# Altium PCB wikiduino-ap8248.PCBDOC (part 2 of 3)
Units mm, origin at the board's own origin, x right, y up, seen from the top; angles counter-clockwise.
Board outline 221.69 x 138.99 mm, 2 copper layers (Top Layer, Bottom Layer); 241 components, 174 nets, 760 pads, 816 vias.
Unrouted connection lines stored in the file: 487.
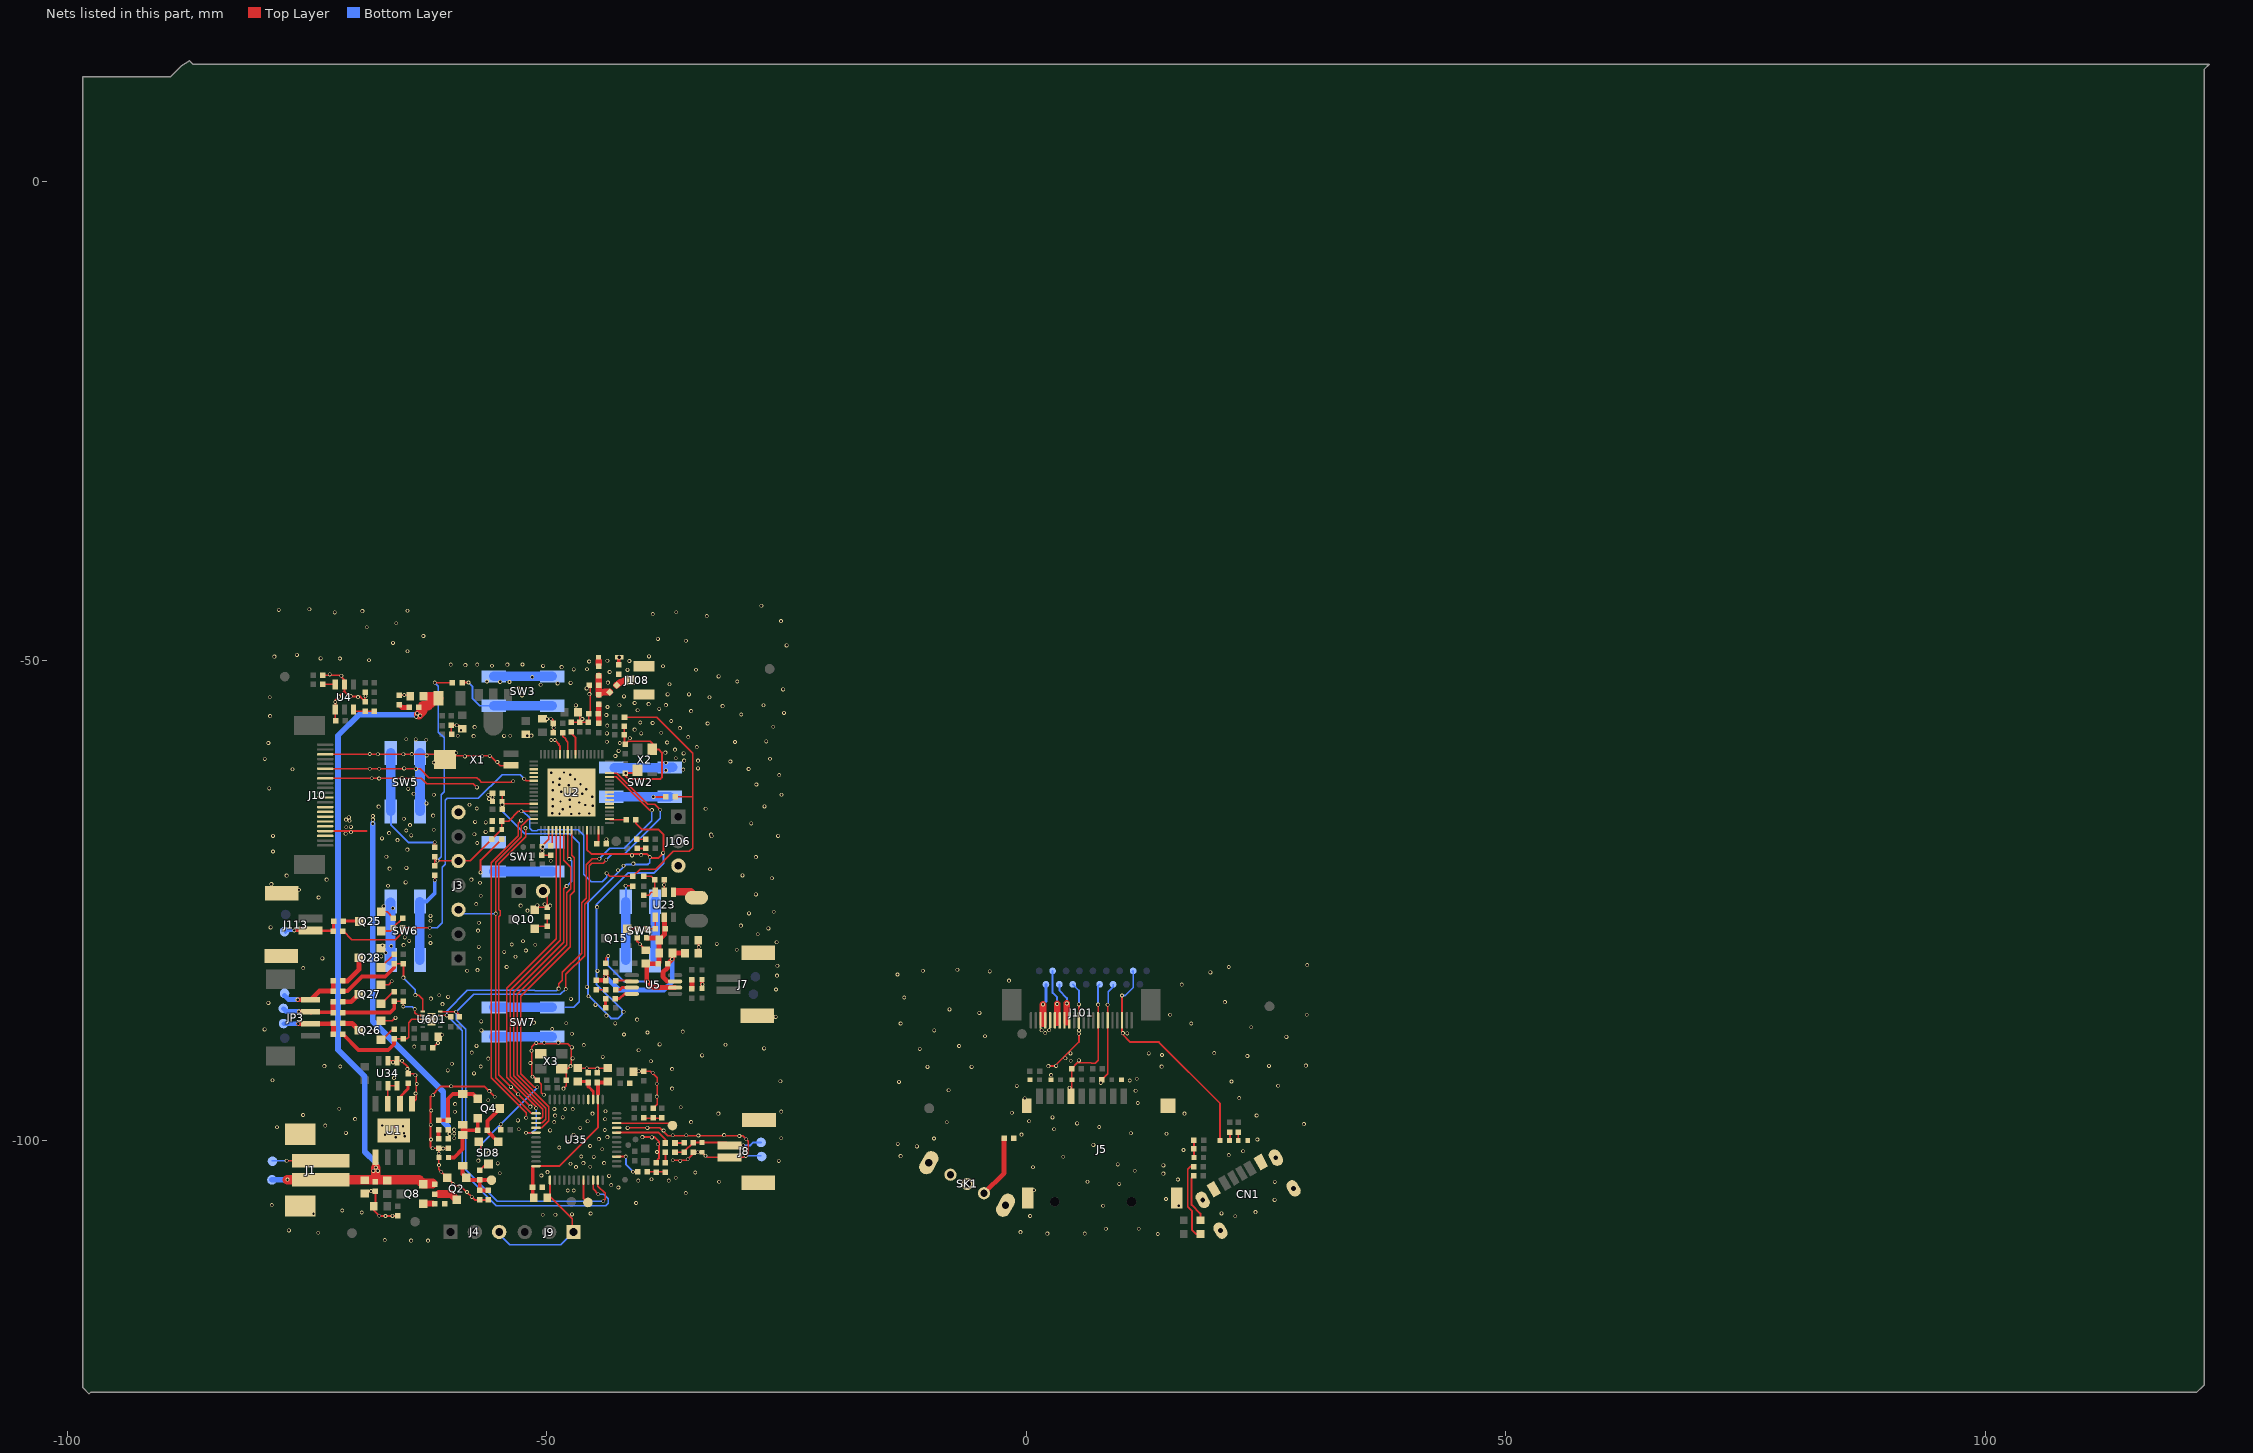
[diagram p2: the nets of this part, all layers, seen from the top]

## Via types
v1: diameter 0.4, hole 0.25, Top Layer to Bottom Layer, 816 vias

## Nets (pads, with @x,y where several pads share a name; then routed paths per layer and width w, separated by ;. In a path a pad name is that pad's centre, name@x,y a point inside that pad or via, vN(x,y) a via of type N, cw(c..) or ccw(c..) an arc to the next point about the centre after c; other vN are vias at no path point) (continued)
GND: C3.1 C4.2 C5.1 C6.1 C8.2 C12.1 C13.2 C14.2 C15.1 C16.2 C20.2 C21.2 C22.1 C26.2 C28.1 C29.1 C31.1 C32.2 C38.2 C39.1 C53.1 C107.1 C108.2 C109.2 C119.2 C120.2 C121.2 C132.1 C133.1 C139.2 C166.1 C167.1 C168.1 C175.1 C180.2 C181.2 C204.1 C206.1 C207.2 C215.2 C249.2 C253.2 C254.2 C256.2 C301.1 C302.2 C402.2 C403.2 D6.2 ESD5.2 FB3.2 FB4.1 J1.0 J1.2 J3.7 J4.3 J7.3 J7.4 J8.1 J8.3 J8.4 J9.1 J10.3 J10.4 J10.5 J10.11 J10.15 J10.17 J10.20 J18.2 J106.3 J108.2 J108.3 J113.3 J113.4 L6.1 pad.1 Q2.2 Q10.2 Q15.2 Q25.2 Q26.2 Q27.2 Q28.2 R8.1 R15.1 R29.2 R57.1 R200.1 R201.1 R202.2 R273.2 R274.1 R277.1 R337.2 SW1.1 SW1.2 SW2.1 SW2.2 SW3.1 SW3.2 SW4.1 SW4.2 SW5.1 SW5.2 SW6.1 SW6.2 SW7.1 SW7.2 TP3.1 U1.1 U1.3 U1.9 U2.37 U2.47 U2.69 U4.2 U4.4 U23.2 U34.1 U34.2 U34.5 U34.6 U35.16 U35.37 U601.11 V4.2 V5.2 V12.2 V13.2 V16.2 X1.1 X1.3 X2.2 X2.4 X3.2 X3.4 | length 395.1
  Top Layer w0.15: v1@-77.139,-102.125 J1.2@-73.54,-102.125 ; J10.15@-73.093,-62.27 v1(-68.242,-62.27) -63.094,-62.27 -62.512,-62.852 -57.652,-62.852 v1(-57.282,-63.222) ; J10.17@-73.093,-61.27 v1(-67.462,-61.27) -63.204,-61.27 -62.282,-62.192 -57.288,-62.192 -56.983,-62.497 -56.817,-62.662 -53.692,-62.662 v1@-53.522,-62.492 ; J10.20@-73.093,-59.77 v1(-67.602,-59.77) v1(-64.942,-59.77) -61.194,-59.77 X1.3@-60.622,-60.342 ; C32.2@-72.041,-56.224 U4.4@-72.041,-55.101 ; Q26.2@-67.278,-87.532 -66.092,-87.532 v1@-65.742,-87.182 ; Q27.2@-67.278,-83.775 -66.486,-83.775 v1@-66.132,-83.422 ; Q25.2@-67.258,-76.195 -66.642,-76.195 R273.2@-65.981,-76.856 ; U1.3@-66.576,-96.185 -66.576,-94.345 U34.5@-66.552,-94.322 U34.6@-65.602,-94.322 ; U34.2@-66.552,-91.722 U34.1@-65.602,-91.722 -65.142,-91.722 -64.452,-92.412 R8.1@-64.452,-93.061 -63.853,-93.061 -63.602,-93.312 -63.602,-95.751 U1.1@-64.036,-96.185 ; C254.2@-61.866,-90.338 -61.31,-89.783 C253.2@-61.31,-89.221 ; X1.3@-60.202,-59.922 -57.602,-59.922 -55.932,-59.922 -55.882,-59.922 -54.862,-60.942 X1.1@-53.722,-60.942 ; C249.2@-59.986,-56.744 C249.2@-59.946,-56.744 ; R29.2@-59.946,-57.667 C249.2@-59.946,-56.744 ; C29.1@-58.818,-57.1 -59.174,-56.744 C249.2@-59.946,-56.744 ; V13.2@-55.653,-64.682 v1(-55.653,-64.252) C175.1@-55.653,-63.832 ; v1@-52.692,-66.652 -52.992,-66.952 -52.992,-68.282 -54.979,-70.268 -54.981,-70.268 -55.772,-71.059 -55.772,-93.506 -52.152,-97.126 v1(-52.152,-97.652) ; v1@-52.212,-67.452 -52.212,-68.383 -54.992,-71.163 -54.992,-75.962 -54.852,-76.102 -54.852,-76.572 -54.992,-76.712 -54.992,-93.182 v1(-53.734,-94.44) -52.97,-95.204 v1@-51.702,-96.472 ; Q10.2@-50.98,-75.721 R337.2@-49.942,-75.721 -49.942,-74.472 J18.2@-50.392,-74.022 ; C53.1@-50.512,-70.272 C53.1@-50.452,-70.272 ; C121.2@-50.436,-56.055 v1(-49.572,-56.055) -49.489,-56.055 -49.311,-56.233 C207.2@-49.311,-56.552 C120.2@-49.311,-57.517 ; v1@-50.292,-95.292 -50.552,-95.032 -50.552,-94.172 C133.1@-50.987,-93.738 -51.572,-93.152 -51.572,-90.672 -51.572,-90.262 -51.262,-89.952 -50.252,-89.952 -47.822,-89.952 -47.442,-90.332 -47.442,-92.192 -47.782,-92.531 X3.4@-48.422,-92.531 -47.955,-92.998 C132.1@-47.955,-93.738 -47.955,-94.324 v1(-48.252,-94.622) ; U2.37@-49.809,-67.677 -49.809,-68.634 -50.452,-69.278 v1(-50.452,-69.832) C53.1@-50.452,-70.272 ; C22.1@-49.575,-70.272 C53.1@-50.452,-70.272 ; C109.2@-47.439,-56.407 C108.2@-46.545,-56.407 ; C402.2@-46.778,-92.479 C302.2@-43.629,-92.479 ; C26.2@-46.739,-55.384 -46.545,-55.578 C108.2@-46.545,-56.407 ; C108.2@-46.545,-56.42 C108.2@-46.545,-56.407 ; C16.2@-45.694,-56.407 C108.2@-46.545,-56.407 ; C16.2@-45.613,-56.351 C21.2@-45.613,-55.538 -45.457,-55.382 -45.457,-52.648 C20.2@-45.562,-52.544 ; -41.909,-58.022 C13.2@-41.909,-57.72 C14.2@-41.909,-56.857 ; v1(-41.562,-98.712) v1(-39.502,-98.712) -38.192,-98.712 -37.367,-99.537 -34.182,-99.537 -29.557,-99.537 v1(-29.192,-99.902) -29.002,-100.092 -29.002,-101.342 -29.456,-101.795 J8.1@-30.937,-101.795 -33.278,-101.795 ESD5.2@-33.824,-101.248 C256.2@-34.739,-101.248 -34.739,-101.408 -35.402,-102.072 v1@-36.872,-102.072 ; C180.2@-40.948,-92.874 -39.979,-92.874 FB4.1@-39.967,-92.886 ; FB4.1@-39.872,-92.791 -39.183,-92.791 -38.472,-93.502 -38.472,-96.23 R57.1@-38.904,-96.662
  Top Layer w0.2: C215.2@-73.355,-51.523 -71.561,-51.523 -71.091,-51.993 U4.2@-71.091,-52.501 -71.091,-53.18 ; J10.4@-73.093,-67.77 -68.784,-67.77 ; U4.4@-72.041,-55.101 -72.041,-54.13 v1(-71.662,-53.752) -71.091,-53.18 ; C119.2@-68.927,-53.29 R200.1@-68.927,-54.271 -69.436,-53.762 -69.672,-53.762 -70.51,-53.762 -71.091,-53.18 ; C6.1@-68.755,-105.34 C5.1@-67.86,-105.34 C3.1@-67.86,-106.719 ; C3.1@-68.032,-106.892 -68.032,-107.322 -67.462,-107.892 v1(-66.082,-107.892) C4.2@-65.552,-107.892 ; C8.2@-65.371,-53.613 C39.1@-64.336,-53.613 ; R15.1@-60.291,-100.842 R201.1@-61.256,-100.842 ; R202.2@-56.076,-106.227 C107.1@-56.989,-106.227 -57.507,-106.227 v1(-57.824,-105.91) -58.322,-105.412 -58.952,-104.782 -59.509,-104.782 Q2.2@-60.386,-103.905 v1(-60.997,-103.294) -61.256,-103.034 v1(-61.256,-101.382) R201.1@-61.256,-100.842 ; v1@-55.392,-95.502 -55.992,-94.902 -56.512,-94.382 -61.032,-94.382 -62.102,-95.452 -62.102,-100.692 -61.952,-100.842 v1(-61.892,-100.842) R201.1@-61.256,-100.842 ; U35.37@-49.668,-104.156 -49.668,-105.846 -47.337,-108.177 J9.1@-47.337,-109.282 ; U2.47@-45.809,-67.677 -45.809,-69.714 -45.361,-70.162 -40.142,-70.162 -39.592,-70.162 v1@-39.282,-70.472 ; C15.1@-43.792,-69.103 v1@-43.792,-68.702 ; C28.1@-41.909,-58.617 -41.909,-58.022 ; C28.1@-41.82,-58.706 -41.521,-58.406 -39.188,-58.406 -38.982,-58.612 X2.4@-38.982,-59.256 -38.328,-59.256 -37.992,-59.592 -37.992,-62.172 -38.182,-62.362 -41.462,-62.362 -41.82,-62.004 C31.1@-41.82,-61.738 X2.2@-40.814,-61.738 ; Q15.2@-41.546,-77.939 -40.573,-77.939 R274.1@-40.573,-77.979 C168.1@-40.573,-78.904 -40.573,-79.279 C167.1@-39.666,-80.185 ; C12.1@-40.711,-66.572 -40.711,-66.943 -40.032,-67.622 -38.332,-67.622 -37.832,-68.122 -37.832,-70.072 -38.322,-70.562 -39.152,-70.562 v1@-39.247,-70.467 ; v1(-40.032,-99.672) -38.762,-99.672 -38.312,-100.122 -38.312,-101.891 C204.1@-38.6,-102.178 ; U23.2@-37.744,-74.142 R277.1@-37.744,-72.859 ; FB3.2@-34.191,-80.479 C166.1@-34.191,-79.147 C166.1@-34.191,-79.107
  Top Layer w0.4: V5.2@-33.818,-84.184 V4.2@-33.818,-83.257
  Bottom Layer w0.15: pad.1@-78.672,-102.142 v1(-77.112,-102.142) ; J4.3@-54.957,-109.562 -54.957,-109.787 -53.862,-110.882 -48.516,-110.882 J9.1@-47.207,-109.572 ; v1(-29.252,-101.632) TP3.1@-27.642,-101.632
  Bottom Layer w0.2: v1(-39.262,-70.482) -39.262,-71.052 -39.452,-71.242 -41.712,-71.242 -45.682,-75.212 -45.682,-84.892 -44.797,-85.777 -43.282,-87.292 -42.562,-87.292 -42.142,-86.872 -42.142,-86.422 -44.832,-83.732 -44.832,-75.462 -41.502,-72.132 -38.812,-72.132 -37.812,-71.132 v1@-37.812,-70.062
  Bottom Layer w1: SW6.1@-66.286,-81.273 SW6.2@-66.286,-75.177 ; SW5.2@-63.208,-65.726 SW5.1@-63.208,-59.63 ; SW7.2@-55.53,-89.202 SW7.1@-49.434,-89.202 ; SW3.1@-55.524,-51.648 -51.502,-51.648 SW3.2@-49.428,-51.648 ; SW2.1@-42.962,-61.172 SW2.2@-37.192,-61.172 ; SW4.2@-38.696,-81.143 SW4.1@-38.696,-75.047 ; SW2.2@-37.184,-61.118 SW2.2@-36.858,-61.118
  other v1: -64.142,-110.462 -62.377,-110.462 -66.892,-110.416 -73.812,-109.652 -76.877,-109.402 -67.462,-107.882 -66.812,-107.902 -50.412,-107.772 -49.102,-107.772 -47.362,-107.732 -74.312,-107.662 -45.422,-107.642 -69.277,-107.542 -71.322,-107.332 -78.662,-106.772 -40.677,-106.552 -35.502,-105.516 -58.312,-105.402 -68.322,-105.312 -47.802,-105.242 -47.177,-105.242 -42.532,-104.932 -58.982,-104.852 -43.277,-104.682 -59.752,-104.572 -32.022,-104.332 -40.462,-104.216 -37.282,-104.216 -39.077,-104.072 -36.552,-103.916 -43.502,-103.716 -50.552,-103.682 -54.902,-103.452 -34.522,-103.372 -49.922,-103.332 -46.952,-102.802 -45.462,-102.762 -61.232,-102.602 -47.522,-102.452 -55.102,-102.422 -46.177,-102.392 -44.022,-102.392 -36.082,-102.152 -25.802,-102.152 -57.122,-102.132 -36.862,-102.082 -35.292,-101.992 -45.102,-101.742 -46.392,-101.702 -33.452,-101.622 -55.242,-101.416 -56.062,-101.342 -34.272,-101.262 -38.502,-101.232 -44.212,-100.942 -60.802,-100.862 -48.702,-100.762 -45.477,-100.602 -38.422,-100.422 -47.832,-100.182 -62.062,-99.922 -44.562,-99.892 -25.552,-99.792 -65.742,-99.702 -39.032,-99.712 -43.677,-99.672 -64.812,-99.592 -29.912,-99.562 -34.182,-99.512 -36.862,-99.492 -35.462,-99.492 -31.502,-99.472 -47.192,-99.452 -66.862,-99.432 -64.882,-99.262 -70.932,-99.232 -37.812,-98.992 -49.652,-98.982 -43.942,-98.932 -52.922,-98.862 -46.502,-98.716 -78.122,-98.652 -64.982,-98.532 -73.082,-98.482 -67.142,-98.462 -62.092,-98.402 -49.212,-98.116 -34.942,-98.116 -45.732,-98.016 -53.002,-97.932 -69.977,-97.802 -43.912,-97.816 -48.332,-97.616 -49.122,-97.442 -75.402,-97.372 -45.232,-97.232 -32.102,-97.232 -59.577,-97.042 -25.552,-97.016 -43.877,-96.982 -62.032,-96.902 -48.077,-96.752 -47.292,-96.762 -49.202,-96.742 -71.632,-96.722 -56.052,-96.702 -36.032,-96.562 -51.702,-96.492 -59.552,-96.242 -56.092,-95.832 -55.412,-95.472 -38.522,-95.452 -61.862,-95.322 -50.292,-95.262 -52.982,-95.216 -63.672,-95.132 -55.972,-94.882 -36.922,-94.616 -59.972,-94.372 -63.542,-94.142 -38.522,-94.122 -25.642,-93.852 -78.592,-93.742 -65.922,-93.532 -51.482,-93.382 -63.692,-93.222 -57.577,-93.032 -38.942,-92.972 -40.392,-92.812 -60.312,-92.716 -36.922,-92.592 -64.532,-92.572 -44.722,-92.532 -45.832,-92.502 -71.532,-92.316 -56.877,-92.312 -73.177,-92.272 -47.522,-92.272 -59.892,-92.032 -51.702,-91.952 -66.022,-91.882 -39.142,-91.762 -65.092,-91.712 -56.102,-91.492 -47.302,-91.472 -44.152,-91.316 -33.802,-91.152 -57.812,-90.862 -51.592,-90.672 -40.422,-90.616 -27.332,-90.432 -47.372,-90.322 -63.812,-90.242 -57.322,-90.162 -46.142,-90.082 -31.362,-90.052 -38.232,-90.016 -61.332,-89.862 -51.092,-89.862 -50.252,-89.832 -48.782,-89.822 -60.892,-89.002 -41.942,-88.982 -47.377,-88.902 -39.492,-88.772 -35.822,-88.682 -68.222,-88.632 -56.812,-88.552 -79.412,-88.452 -49.432,-88.402 -42.852,-87.816 -47.962,-87.802 -51.342,-87.742 -56.832,-87.616 -62.102,-87.592 -40.577,-87.432 -65.762,-87.252 -26.142,-87.142 -43.782,-87.012 -62.092,-86.992 -41.982,-86.602 -44.912,-85.892 -60.862,-85.816 -79.012,-85.682 -47.477,-85.272 -62.077,-85.242 -60.277,-85.062 -45.642,-84.992 -61.212,-84.882 -26.102,-84.292 -45.812,-84.022 -33.762,-83.752 -66.162,-83.422 -25.992,-82.842 -44.702,-82.352 -58.302,-82.342 -57.212,-82.272 -75.377,-82.062 -54.177,-81.942 -25.952,-81.816 -56.977,-81.072 -73.392,-81.042 -53.252,-80.882 -67.252,-80.832 -66.792,-80.452 -54.432,-80.372 -52.177,-80.222 -30.192,-80.152 -34.152,-79.872 -57.092,-79.842 -66.202,-79.762 -67.122,-79.702 -64.922,-79.662 -51.192,-79.616 -53.642,-79.602 -40.282,-79.572 -32.277,-79.532 -62.112,-79.442 -26.032,-79.362 -52.477,-79.252 -64.332,-79.216 -64.802,-78.852 -62.202,-78.742 -27.992,-78.532 -40.582,-78.432 -57.162,-78.152 -26.892,-77.916 -78.782,-77.816 -29.762,-77.632 -57.077,-77.322 -62.112,-77.116 -62.112,-76.616 -28.912,-76.352 -26.332,-76.182 -52.002,-76.062 -66.032,-75.816 -44.742,-75.702 -67.002,-75.616 -52.722,-75.542 -49.642,-75.542 -50.977,-75.502 -50.222,-75.402 -57.342,-75.382 -73.777,-74.702 -56.872,-74.516 -28.192,-74.372 -75.822,-73.892 -66.552,-73.472 -37.762,-73.372 -78.702,-73.302 -56.952,-73.162 -64.712,-73.116 -72.942,-72.832 -57.852,-72.832 -26.522,-72.692 -77.112,-72.416 -29.592,-72.392 -42.572,-71.852 -32.977,-71.752 -66.377,-71.682 -64.632,-71.616 -41.992,-71.382 -40.962,-71.162 -49.577,-70.872 -28.192,-70.492 -66.712,-70.442 -41.112,-70.312 -40.142,-70.272 -37.872,-70.042 -78.532,-69.902 -64.522,-69.702 -50.422,-69.392 -57.242,-69.016 -65.562,-68.716 -43.782,-68.642 -67.177,-68.532 -32.812,-68.292 -78.532,-68.272 -25.877,-68.272 -64.132,-68.216 -32.862,-68.142 -57.542,-68.102 -70.972,-68.052 -66.432,-67.982 -70.402,-67.892 -56.377,-67.852 -64.642,-67.716 -61.777,-67.642 -52.212,-67.461 -70.902,-67.372 -70.412,-67.342 -64.252,-67.152 -28.677,-66.972 -56.362,-66.872 -57.472,-66.816 -52.672,-66.662 -64.892,-66.482 -61.842,-66.162 -47.432,-65.992 -48.672,-65.952 -46.592,-65.942 -45.572,-65.942 -49.422,-65.932 -48.342,-65.482 -33.432,-65.452 -57.292,-65.416 -67.522,-65.216 -47.572,-65.222 -49.362,-65.182 -27.292,-65.202 -45.212,-65.122 -58.052,-65.032 -46.002,-65.052 -62.532,-64.892 -46.602,-64.792 -48.562,-64.692 -47.582,-64.502 -49.382,-64.442 -56.022,-64.416 -45.272,-64.192 -61.762,-63.992 -56.092,-64.002 -25.522,-63.982 -47.322,-63.902 -46.282,-63.892 -63.877,-63.882 -48.502,-63.672 -49.372,-63.512 -45.882,-63.422 -64.432,-63.372 -78.922,-63.316 -47.702,-62.992 -48.682,-62.962 -28.142,-62.916 -46.482,-62.892 -49.342,-62.672 -53.492,-62.571 -47.052,-62.352 -48.652,-62.332 -67.477,-62.292 -63.892,-62.292 -65.092,-62.232 -25.762,-61.942 -47.542,-61.892 -41.742,-61.762 -49.532,-61.702 -48.202,-61.662 -37.577,-61.442 -35.762,-61.362 -76.502,-61.332 -28.952,-61.302 -68.442,-61.282 -63.642,-61.292 -64.862,-61.242 -34.232,-61.242 -37.577,-60.642 -61.777,-60.622 -55.142,-60.572 -30.852,-60.516 -34.232,-60.432 -35.677,-60.422 -79.402,-60.252 -26.722,-60.232 -36.552,-60.172 -58.532,-59.992 -56.732,-59.972 -55.932,-59.932 -42.842,-59.942 -62.502,-59.892 -64.077,-59.752 -68.452,-59.732 -35.732,-59.672 -59.442,-59.602 -37.632,-59.592 -42.502,-59.416 -36.622,-59.282 -34.352,-59.016 -79.012,-58.592 -42.392,-58.592 -37.452,-58.542 -30.377,-58.482 -43.732,-58.452 -27.112,-58.416 -62.552,-58.252 -63.662,-58.216 -64.642,-58.192 -41.332,-58.092 -35.242,-57.972 -57.622,-57.872 -54.442,-57.852 -59.277,-57.832 -53.802,-57.832 -43.732,-57.592 -40.152,-57.592 -38.052,-57.516 -58.942,-57.252 -40.842,-57.192 -36.112,-57.032 -49.282,-56.982 -57.512,-56.932 -26.377,-56.902 -43.692,-56.772 -59.392,-56.732 -33.222,-56.552 -38.962,-56.502 -40.242,-56.452 -37.022,-56.292 -46.277,-56.092 -49.972,-56.082 -78.842,-55.782 -43.777,-55.672 -29.722,-55.616 -25.262,-55.452 -34.942,-55.262 -40.522,-55.172 -38.262,-55.032 -43.662,-54.832 -31.662,-54.742 -46.962,-54.672 -42.422,-54.652 -37.577,-54.642 -27.402,-54.662 -39.377,-54.532 -40.842,-54.416 -72.042,-54.312 -78.882,-53.816 -69.672,-53.802 -33.032,-53.816 -41.942,-53.732 -70.432,-53.702 -68.892,-53.722 -52.577,-53.632 -64.852,-53.582 -37.402,-53.516 -35.162,-53.516 -45.552,-53.492 -25.352,-53.002 -45.842,-52.892 -53.012,-52.862 -50.632,-52.516 -37.202,-52.462 -48.862,-52.372 -47.512,-52.322 -43.622,-52.292 -53.877,-52.232 -54.862,-52.216 -56.232,-52.182 -30.132,-52.182 -51.502,-51.716 -32.077,-51.642 -71.402,-51.572 -72.622,-51.432 -43.442,-51.192 -41.577,-50.972 -34.442,-50.952 -47.177,-50.922 -45.802,-50.902 -48.452,-50.682 -37.877,-50.592 -50.377,-50.552 -55.702,-50.532 -58.477,-50.472 -60.012,-50.416 -57.242,-50.416 -54.102,-50.416 -52.522,-50.402 -45.577,-50.092 -41.377,-50.042 -43.677,-50.012 -68.532,-49.962 -73.577,-49.772 -71.562,-49.782 -78.392,-49.582 -39.342,-49.562 -76.052,-49.402 -64.512,-49.032 -24.992,-48.416 -66.022,-48.152 -35.492,-47.932 -38.412,-47.742 -62.852,-47.432 -68.762,-46.516 -65.692,-46.102 -25.577,-45.882 -33.322,-45.362 -38.952,-45.152 -72.092,-44.972 -36.492,-44.952 -69.212,-44.842 -64.512,-44.802 -77.932,-44.716 -74.742,-44.652 -27.622,-44.282
GND1: C1.2 C2.2 C25.1 C27.2 CN1.A0 CN1.A12 CN1.B12 D5.2 D8.2 D9.2 D10.2 J5.6 J5.10 J5.11 J5.12 J5.13 J101.3 J101.4 J101.5 J101.11 J101.15 J101.17 J101.20 pad.15 pad.19 pad.20 pad.23 pad.28 R23.2 SK1. V1.2 V2.2 V3.2 | length 65.5
  Top Layer w0.15: C27.2@4.743,-92.777 4.743,-92.567 C27.2@4.763,-92.547 ; C27.2@4.743,-92.527 5.32,-91.95 6.771,-91.95 6.776,-91.955 7.195,-91.955 7.48,-91.67 J101.15@7.48,-87.504 v1(7.48,-85.869) ; C25.1@7.877,-93.691 7.98,-93.589 8.48,-93.089 J101.17@8.48,-87.504 v1(8.48,-85.883)
  Top Layer w0.18: v1@2.297,-92.167 v1(2.297,-92.269) 2.971,-92.269 5.48,-89.76 v1(5.48,-88.904) J101.11@5.48,-87.504 v1(5.48,-85.835) ; D10.2@2.509,-93.641 D10.2@2.559,-93.691 ; J5.6@4.664,-95.42 4.743,-95.341 C27.2@4.743,-92.777 ; v1(9.98,-84.915) J101.20@9.98,-87.504 9.98,-88.92 10.83,-89.77 13.82,-89.77 20.194,-96.144 V3.2@20.194,-100.045 ; V1.2@17.479,-101.81 C1.2@17.479,-100.885 C2.2@17.479,-99.985
  Top Layer w0.7: 1.738,-87.86 1.738,-87.504 ; 1.738,-87.403 v1(1.738,-85.846)
  Bottom Layer w0.15: v1(8.48,-85.883) 8.535,-85.828 8.535,-84.525 9.04,-84.02 pad.19@9.04,-83.751
  Bottom Layer w0.18: pad.15@4.84,-83.793 pad.15@4.84,-83.751 5.48,-84.39 v1(5.48,-85.835) v1@5.47,-85.825 ; v1(7.48,-85.869) 7.48,-83.911 pad.20@7.64,-83.751 ; v1(9.98,-84.915) 10.305,-84.915 11.14,-84.08 pad.23@11.14,-82.351 pad.23@11.08,-82.411
  Bottom Layer w0.3: v1(1.738,-85.846) 2.04,-85.544 pad.28@2.04,-83.751
  other v1: 13.695,-109.783 2.195,-109.732 6.095,-109.732 -0.605,-109.579 8.295,-109.224 11.715,-109.225 0.395,-107.903 21.774,-107.925 20.351,-107.625 23.895,-107.497 8.007,-106.825 15.881,-106.825 25.888,-106.225 14.56,-106.125 0.795,-105.211 9.695,-104.55 25.895,-104.347 6.381,-104.325 15.795,-104.093 14.295,-103.483 11.295,-103.179 0.692,-102.825 14.295,-102.62 9.531,-102.525 3.841,-101.725 -13.105,-101.655 21.095,-101.553 22.595,-101.147 16.389,-101.025 -11.405,-100.639 6.995,-100.486 -13.405,-100.385 24.095,-99.927 -9.621,-99.825 -0.505,-99.419 14.611,-99.325 10.895,-99.267 2.895,-98.861 7.6,-98.625 28.936,-98.325 5.295,-98.251 -8.3,-98.125 0.285,-98.025 2.724,-97.625 24.009,-97.425 16.49,-97.225 -1.505,-97.133 11.614,-96.125 -0.172,-95.625 22.195,-95.609 11.395,-94.847 -8.105,-94.797 4.502,-94.525 -1.005,-94.339 26.244,-94.325 7.753,-94.025 -13.278,-93.925 21.395,-93.882 10.78,-93.774 11.52,-93.59 2.58,-93.21 -10.305,-92.358 -5.705,-92.358 14.103,-92.325 25.295,-92.257 3.11,-92.25 29.14,-92.225 4.63,-91.72 5.48,-91.674 4.07,-91.46 23.044,-91.225 14.14,-91.12 4.6,-90.95 12.77,-90.95 19.589,-90.925 -11.105,-90.479 -7.005,-90.174 27.108,-89.225 -4.305,-89.158 10.53,-88.86 1.97,-88.83 10.07,-88.84 -9.605,-88.548 5.49,-88.55 1.59,-88.54 2.38,-88.54 23.45,-88.225 -13.105,-87.837 17.195,-87.837 14.995,-86.923 29.241,-86.925 -4.896,-86.725 -8.005,-86.364 20.695,-85.602 -12.72,-85.125 16.195,-83.773 -1.805,-83.367 -13.431,-82.725 19.195,-82.503 -3.805,-82.401 -10.789,-82.325 -7.182,-82.225 21.095,-81.944 29.295,-81.741
GPIO_A30: TP95.1 U35.44 | length 2.5
  Top Layer w0.2: U35.44@-46.168,-104.156 -46.168,-106.026 TP95.1@-45.702,-106.492
I2C_SCL: R140.1 U2.65 U35.47 U601.10 | length 81.1
  Top Layer w0.15: U601.10@-61.085,-86.592 -59.462,-86.592 v1(-59.442,-86.612) -59.187,-86.867 -59.187,-87.147 -59.187,-87.175 -59.165,-87.197 R140.1@-59.115,-87.247 ; v1(-48.022,-84.252) -48.022,-82.722 -46.052,-80.752 -46.052,-75.382 -45.592,-74.922 -45.592,-71.392 -45.302,-71.102 -44.132,-71.102 v1(-43.792,-70.762) ; U35.47@-44.668,-104.156 -44.668,-104.796 -43.912,-105.552 -43.912,-106.172 v1(-44.102,-106.362) ; U2.65@-43.459,-61.728 -43.453,-61.734 -42.718,-61.734 -39.49,-64.962 -38.762,-64.962 v1(-38.172,-65.552)
  Bottom Layer w0.15: v1(-48.022,-84.252) -48.572,-84.801 -57.632,-84.801 v1(-59.442,-86.612) -59.442,-87.442 -58.462,-88.422 -58.462,-103.072 -55.172,-106.362 v1@-44.112,-106.362 ; v1(-44.102,-106.362) v1@-44.112,-106.362 ; v1@-44.102,-106.352 -44.107,-106.357 v1@-44.112,-106.362 ; v1@-43.802,-70.762 -43.797,-70.757 -43.172,-70.131 -41.852,-70.131 -38.172,-66.452 v1(-38.172,-65.552)
I2C_SDA: R139.1 U2.64 U35.46 U601.9 | length 80.9
  Top Layer w0.15: U601.9@-61.085,-86.992 -60.422,-86.992 v1@-60.335,-86.992 ; R139.1@-60.1,-87.227 R139.1@-60.08,-87.247 ; v1(-48.762,-84.192) -48.762,-83.712 -48.362,-83.312 -48.362,-82.502 -46.352,-80.492 -46.352,-75.222 -45.902,-74.772 -45.902,-71.277 -45.277,-70.652 v1(-44.512,-70.652) ; U35.46@-45.168,-104.156 -45.168,-105.076 v1@-44.612,-105.632 ; U2.64@-43.459,-62.128 -42.748,-62.128 -39.284,-65.592 v1(-39.032,-65.592)
  Bottom Layer w0.15: v1@-48.752,-84.182 v1(-48.762,-84.192) -48.997,-84.427 -51.227,-84.427 -51.272,-84.382 -58.262,-84.382 -60.422,-86.542 v1(-60.422,-86.982) -58.832,-88.572 -58.832,-103.262 -55.252,-106.842 -43.822,-106.842 -43.572,-106.592 -43.572,-106.112 -44.042,-105.642 v1(-44.622,-105.642) ; v1(-44.512,-70.652) -43.432,-69.572 -41.932,-69.572 -39.032,-66.672 v1(-39.032,-65.592)
I2S1_BCLK: U2.42 U35.27 | length 35.8
  Top Layer w0.15: U35.27@-51.118,-98.206 -50.486,-98.206 -50.093,-97.813 -50.093,-96.655 -53.452,-93.296 -53.452,-84.562 -48.242,-79.352 -48.242,-73.802 -47.942,-73.502 v1(-47.922,-73.502) ; U2.42@-47.809,-67.677 -47.809,-70.525 v1(-47.642,-70.692)
  Bottom Layer w0.15: v1(-47.922,-73.502) -47.402,-72.982 -47.402,-72.901 ; v1(-47.642,-70.692) -47.402,-70.932 -47.402,-72.901 ; -47.402,-72.492 -47.402,-72.901
I2S1_DI: U2.39 U35.29 | length 37.1
  Top Layer w0.15: v1@-52.172,-99.206 v1@-52.162,-99.206 ; v1(-52.162,-99.222) -51.134,-99.222 U35.29@-51.118,-99.206 ; -51.437,-96.187 -51.612,-96.012 ; v1(-51.112,-96.662) -51.112,-96.512 -51.612,-96.012 ; U2.39@-49.009,-67.677 -49.009,-79.008 -54.162,-84.162 -54.162,-93.462 -51.612,-96.012
  Bottom Layer w0.15: v1@-52.162,-99.212 -52.172,-99.212 v1(-52.162,-99.222) -51.552,-99.222 -51.112,-98.782 v1(-51.112,-96.662)
I2S1_DO: U2.41 U35.28 | length 35.9
  Top Layer w0.15: U35.28@-51.118,-98.706 -50.516,-98.706 -49.793,-97.983 -49.793,-96.501 -53.092,-93.202 -53.092,-84.802 -47.912,-79.622 -47.912,-74.212 -47.497,-73.797 -47.497,-71.527 -48.209,-70.815 U2.41@-48.209,-67.677
I2S1_LRCLK: U2.40 U35.26 | length 34.2
  Top Layer w0.15: U35.26@-51.118,-97.706 -50.546,-97.706 -50.393,-97.553 -50.393,-96.78 -53.802,-93.371 -53.802,-84.342 -48.609,-79.148 U2.40@-48.609,-67.677
I2S1_MCLK: J3.3 U2.33 U35.25 | length 38.6
  Top Layer w0.15: -52.497,-67.087 -52.652,-67.242 -52.652,-68.366 -54.854,-70.568 -54.857,-70.568 -55.322,-71.033 v1(-55.322,-76.372) -55.322,-93.482 -51.598,-97.206 U35.25@-51.118,-97.206 ; -52.496,-67.087 -52.247,-66.838 ; -52.247,-66.837 -51.938,-66.527 U2.33@-51.358,-66.527
  Bottom Layer w0.15: J3.3@-59.202,-76.402 v1@-55.322,-76.402
KEY_LED: C175.2 R163.2 SW7.3 SW7.4 U2.29 V13.1 | length 39.4
  Top Layer w0.15: R163.2@-54.652,-65.522 -54.652,-65.042 V13.1@-54.652,-64.872 ; C175.2@-54.652,-63.832 V13.1@-54.652,-64.682 V13.1@-54.652,-64.872 ; U2.29@-51.358,-64.927 -54.597,-64.927 V13.1@-54.652,-64.872
  Bottom Layer w0.15: v1(-54.622,-65.042) -54.622,-65.712 -52.287,-68.047 -47.587,-68.047 -46.612,-69.022 -46.612,-85.552 -47.192,-86.132 -48.132,-86.132
  Bottom Layer w1: SW7.3@-55.53,-86.154 SW7.4@-49.434,-86.154
LDO12O: C402.1 C403.1 U35.15 | length 2.6
  Top Layer w0.3: C402.1@-46.778,-93.879 -45.766,-93.879 C403.1@-45.661,-93.984 ; -45.661,-94.398 -45.153,-94.906 U35.15@-45.153,-95.262
  Top Layer w0.4: -45.661,-94.398 C403.1@-45.661,-93.984
LDO33DO: C38.1 C139.1 C301.2 C302.1 U35.14 U35.36 | length 16.6
  Top Layer w0.2: U35.36@-51.118,-102.706 -48.676,-102.706 -44.668,-98.698 U35.14@-44.668,-95.756
  Top Layer w0.4: C38.1@-51.452,-105.922 -51.452,-104.902 U35.36@-51.452,-102.782 ; C38.1@-51.362,-106.112 C38.1@-51.362,-106.012 ; C301.2@-44.746,-93.984 -43.734,-93.984 C302.1@-43.629,-93.879 ; -44.668,-95.211 C301.2@-44.668,-94.062
LED_DRIVER1: U2.20
LED_DRIVER2: U2.21
LED_DRIVER3: U2.22
LILNEL: U2.59
LINEIN2_R: TP93.1 U35.10 | length 5.9
  Top Layer w0.15: U35.10@-42.718,-98.206 -42.712,-98.213 -37.152,-98.213 TP93.1@-36.892,-98.472
LINER: U2.60
LOG_LED: R203.1 R271.2 U2.23 | length 35.2
  Top Layer w0.15: R203.1@-71.233,-78.17 -71.222,-78.181 -70.301,-79.102 -65.792,-79.102 -65.016,-78.325 R271.2@-65.016,-77.856 v1@-62.192,-77.856 ; v1(-52.362,-62.322) -52.157,-62.527 U2.23@-51.358,-62.527
  Bottom Layer w0.15: v1@-62.184,-77.86 v1(-62.192,-77.852) -61.422,-77.852 -60.912,-77.342 -60.912,-71.552 -60.582,-71.222 -60.582,-64.582 -60.372,-64.372 -57.122,-64.372 -54.652,-61.902 -52.782,-61.902 v1(-52.362,-62.322)
LRADCIN: C206.2 J3.5 R54.2 R58.1 R59.1 R60.1 R61.1 R62.1 R300.1 U2.31 V12.1 | length 81.4
  Top Layer w0.15: R62.1@-61.682,-71.391 -61.682,-70.892 ; R61.1@-61.682,-70.472 -61.682,-70.892 ; v1@-61.682,-52.285 R59.1@-59.826,-52.285 ; V12.1@-54.692,-67.622 V12.1@-54.702,-67.622 ; U2.31@-51.358,-65.727 -52.642,-65.727 -52.958,-65.727 -53.952,-66.722 C206.2@-54.692,-66.722 -54.702,-66.732 V12.1@-54.702,-67.622 ; v1@-43.762,-72.172 -43.757,-72.177 -43.433,-72.501 R60.1@-41.032,-72.501 -40.263,-71.732 -38.652,-71.732 -36.812,-69.892 -35.153,-69.892 -34.802,-69.541 -34.802,-59.652 -38.532,-55.922 R54.2@-41.892,-55.922 ; R58.1@-36.602,-64.172 -34.832,-64.172 ; -61.682,-70.892 -61.392,-70.892 J3.5@-59.202,-70.892 -57.993,-70.892 R300.1@-55.713,-68.612 -54.723,-67.622 V12.1@-54.702,-67.622
  Bottom Layer w0.15: v1(-61.682,-52.292) -61.292,-52.682 -61.292,-56.611 -61.297,-56.616 -61.297,-57.457 -60.702,-58.052 -60.702,-63.692 -60.987,-63.976 -60.987,-70.426 -61.412,-70.852 v1@-61.422,-70.862 ; v1(-52.642,-65.702) -52.482,-65.702 -51.783,-66.401 -51.783,-67.498 -51.534,-67.747 -51.017,-67.747 -50.892,-67.622 -46.702,-67.622 -46.142,-68.182 -46.142,-72.292 -45.382,-73.052 -44.222,-73.052 -43.752,-72.582 v1(-43.752,-72.172)
  other v1: -61.392,-70.872
MIC3: R211.2 U35.8 | length 6.3
  Top Layer w0.2: U35.8@-42.718,-99.206 -41.546,-99.206 ; -42.058,-99.206 -41.546,-99.206 ; R211.2@-37.627,-100.291 -37.627,-99.907 -38.328,-99.206 -41.546,-99.206
MIC4: U35.9
MIC_BIAS: R209.2 U35.3 | length 3.3
  Top Layer w0.2: U35.3@-42.718,-101.706 v1(-41.757,-101.706) ; v1(-41.002,-103.282) -41.002,-103.284 -40.998,-103.288 R209.2@-40.522,-103.288
  Bottom Layer w0.2: v1(-41.757,-101.706) -41.757,-102.527 v1(-41.002,-103.282)
MICBIAS: U2.58
MICLN: U2.56
MICLP: U2.57
NetC7_1: C7.1 R201.2 | length 0.6
  Top Layer w0.4: R201.2@-61.272,-99.702 C7.1@-61.272,-99.061
NetC7_2: C7.2 D7.1 Q4.1 R16.1 | length 6.7
  Top Layer w0.4: C7.2@-61.256,-97.911 R16.1@-60.291,-97.911 -60.291,-95.68 -59.796,-95.186 D7.1@-58.767,-95.186 -57.692,-95.186 Q4.1@-57.185,-95.693
NetC8_1: C8.1 R9.2 | length 1.1
  Top Layer w0.5: C8.1@-65.371,-54.614 -65.109,-54.876 R9.2@-64.347,-54.876
NetC12_2: C12.2 U2.53 | length 1.7
  Top Layer w0.15: U2.53@-43.414,-66.572 C12.2@-41.711,-66.572
NetC15_2: C15.2 U2.50 | length 1.8
  Top Layer w0.2: C15.2@-44.609,-68.919 U2.50@-44.609,-67.677 -44.609,-68.28
NetC18_1: C18.1 C19.2 C21.1 | length 2.4
  Top Layer w0.559: C18.1@-44.582,-56.516 -44.582,-55.942 ; C21.1@-44.582,-55.568 -44.582,-55.942 ; C19.2@-44.582,-54.533 C19.2@-44.582,-54.563 -44.582,-55.538 -44.582,-55.942
NetC19_1: C19.1 C20.1 C88.2 L2.1 | length 3.2
  Top Layer w0.71: L2.1@-44.582,-51.58 -44.582,-52.544 -44.582,-53.532 cw(c-43.985,-54.129) -43.985,-53.285 C88.2@-43.426,-53.285
NetC22_2: C22.2 U2.38 | length 1.7
  Top Layer w0.15: C22.2@-49.564,-69.282 -49.409,-69.127 U2.38@-49.409,-67.677
NetC42_1: C42.1 U5.2 | length 1.6
  Top Layer w0.2: C42.1@-42.827,-83.369 U5.2@-41.213,-83.369
NetC43_1: C43.1 R43.1 | length 1
  Top Layer w0.15: C43.1@-44.828,-84.319 R43.1@-43.827,-84.319
NetC44_1: C44.1 R44.1 | length 0.9
  Top Layer w0.3: C44.1@-43.855,-86.138 R44.1@-43.855,-85.242
NetC49_1: C49.1 R47.2 | length 1
  Top Layer w0.5: C49.1@-34.868,-84.205 R47.2@-34.868,-83.247
NetC56_1: C56.1 R49.1 | length 0.9
  Top Layer w0.2: C56.1@-40.58,-69.58 R49.1@-39.67,-69.58 R49.1@-39.65,-69.58
NetC57_1: C57.1 R48.1 | length 0.9
  Top Layer w0.2: C57.1@-40.601,-68.627 R48.1@-39.671,-68.627
NetC77_1: C77.1 R55.2 R57.2 | length 1.9
  Top Layer w0.15: C77.1@-39.877,-97.7 -38.904,-97.7 R55.2@-37.998,-97.7
NetC88_1: C88.1 J108.1 | length 1.5
  Top Layer w0.381: J108.1@-41.472,-52.062 J108.1@-41.367,-52.062
  Top Layer w0.71: C88.1@-42.719,-52.578 cw(c-41.472,-53.825) J108.1@-41.472,-52.062
NetC109_1: C109.1 U2.8 | length 2.7
  Top Layer w0.2: C109.1@-47.471,-57.59 -47.439,-57.59 -47.428,-57.59 -47.008,-58.009 -47.008,-58.228 ; U2.8@-47.008,-59.777 -47.008,-58.686 ; -47.008,-58.481 -47.008,-58.686 ; -47.008,-58.109 -47.008,-58.228 ; -47.008,-58.686 -47.008,-58.228
NetC120_1: C120.1 U2.10 | length 2.5
  Top Layer w0.15: C120.1@-48.31,-57.517 -48.31,-57.872 -48.027,-58.155 -48.027,-58.258 -47.783,-58.502 -47.783,-59.752 U2.10@-47.808,-59.777
NetC203_1: C203.1 C256.1 ESD5.1 J8.2 R208.1 TP91.1 | length 9.3
  Top Layer w0.2: R208.1@-36.626,-101.256 C203.1@-35.653,-101.256 ; C203.1@-35.653,-101.248 -35.653,-101.176 -34.739,-100.262 C256.1@-34.739,-100.248 ESD5.1@-33.824,-100.248 J8.2@-31.234,-100.248 ; J8.2@-30.937,-100.545 v1(-29.506,-100.545)
  Bottom Layer w0.2: v1(-29.506,-100.545) -28.776,-100.545 -28.462,-100.232 TP91.1@-27.652,-100.232
NetC203_2: C203.2 R211.1 | length 0.9
  Top Layer w0.2: R211.1@-36.626,-100.291 C203.2@-35.696,-100.291
NetC204_2: C204.2 R209.1 R210.2 | length 1.8
  Top Layer w0.2: R209.1@-39.522,-103.288 -38.6,-103.288 R210.2@-37.677,-103.288
NetD12_1: D12.1 R6.1 | length 8.3
  Top Layer w0.2: R6.1@17.455,-102.753 17.111,-102.753 16.826,-103.039 16.826,-106.95 17.283,-107.407 17.283,-109.389 17.669,-109.775 D12.1@18.144,-109.775
NetD13_1: D13.1 R5.1 | length 4.8
  Top Layer w0.2: R5.1@17.232,-103.916 17.232,-106.747 18.144,-107.659 D13.1@18.144,-108.345
NetFB1_2: FB1.2 U2.12 | length 2.2
  Top Layer w0.2: FB1.2@-51.808,-57.822 FB1.2@-51.808,-57.692 ; v1(-49.522,-58.279) v1(-49.166,-58.279) -49.139,-58.279 -48.956,-58.463 -48.956,-58.472 -48.722,-58.705 -48.722,-58.8 -48.608,-58.915 U2.12@-48.608,-59.777
  other v1: -52.011,-57.822 -51.604,-57.822
NetIFA_RF_2_1: IFA_RF_2.1 L6.2 | length 0.8
  Top Layer w0.381: L6.2@-42.492,-50.414 IFA_RF_2.1@-42.492,-49.643
NetIFA_RF_2_2: IFA_RF_2.2 L2.2 | length 0.3
  Top Layer w0.71: L2.2@-44.582,-50.35 -44.582,-50.042
NetJ113_2: J113.2 pad.7 R203.2 R272.1 | length 6.1
  Top Layer w0.3: v1@-76.302,-78.142 J113.2@-74.609,-78.142 ; J113.2@-74.581,-78.17 -72.243,-78.17 -72.234,-78.17 R272.1@-72.234,-77.154
  Bottom Layer w0.3: pad.7@-77.232,-78.352 -77.022,-78.142 v1(-76.322,-78.142)
NetJP3_2: JP3.2 pad.3 R218.2 R285.1 | length 6.2
  Top Layer w0.5: v1@-75.891,-87.86 JP3.2@-74.613,-87.86 R285.1@-72.27,-87.86 ; R218.2@-72.253,-88.952 -72.241,-88.94 R285.1@-72.241,-87.832
  Bottom Layer w0.5: pad.3@-77.392,-87.862 v1(-75.912,-87.862)
NetJP3_3: JP3.3 pad.4 R205.2 R284.1 | length 7.2
  Top Layer w0.2: R205.2@-72.241,-86.693 -72.241,-86.692 -72.241,-86.61 R205.2@-72.237,-86.61 ; R284.1@-72.241,-85.607 R284.1@-72.241,-85.576
  Top Layer w0.4: v1(-75.832,-86.582) -74.613,-86.582 JP3.3@-73.922,-86.582 ; JP3.3@-74.563,-86.66 R205.2@-72.304,-86.66
  Top Layer w0.5: JP3.3@-74.613,-86.61 JP3.3@-74.563,-86.66 ; R205.2@-72.304,-86.66 R205.2@-72.273,-86.692 R284.1@-72.273,-85.607
  Bottom Layer w0.5: pad.4@-77.432,-86.302 -77.152,-86.582 v1(-75.832,-86.582)
NetJP3_4: JP3.4 pad.5 R204.2 R283.1 | length 6.8
  Top Layer w0.2: JP3.4@-74.613,-85.36 JP3.4@-74.492,-85.36 ; R204.2@-72.253,-84.458 -72.241,-84.458 R204.2@-72.241,-84.452
  Top Layer w0.5: v1@-75.951,-85.36 JP3.4@-74.613,-85.36 -73.705,-84.452 R204.2@-72.253,-84.452 -72.253,-83.402 R283.1@-72.241,-83.391
  Bottom Layer w0.5: pad.5@-77.332,-84.922 -76.912,-85.342 v1(-75.972,-85.342)
NetL7_1: L7.1 U23.1 | length 2.3
  Top Layer w0.8: -36.472,-74.092 -34.998,-74.092 L7.1@-34.382,-74.707
NetQ2_3: Q2.3 R301.2 R302.1 | length 2.1
  Top Layer w0.8: -61.232,-105.617 -59.974,-105.617 Q2.3@-59.386,-106.205
NetQ4_3: Q4.3 R14.1 SD8.1 | length 4.7
  Top Layer w0.4: Q4.3@-54.885,-96.693 -56.184,-97.992 R14.1@-56.184,-98.97 -56.184,-99.045 -55.06,-100.169 SD8.1@-54.88,-100.349
NetQ8_1: Q8.1 R301.1 | length 1
  Top Layer w0.6: Q8.1@-62.885,-106.6 R301.1@-61.862,-106.6
NetQ10_1: Q10.1 R337.1 R338.1 | length 2
  Top Layer w0.15: Q10.1@-50.94,-77.681 R338.1@-49.942,-77.681 R337.1@-49.942,-76.722
NetQ25_1: Q25.1 R271.1 R273.1 | length 2.8
  Top Layer w0.2: Q25.1@-67.258,-78.195 -66.319,-78.195 R273.1@-65.981,-77.856 ; R273.1@-65.981,-77.821 R271.1@-65.016,-76.856
NetQ25_3: Q25.3 R272.2 | length 1.7
  Top Layer w0.3: R272.2@-71.233,-77.154 R272.2@-71.223,-77.154 -69.599,-77.154 Q25.3@-69.558,-77.195
NetQ26_1: Q26.1 R280.1 | length 1.6
  Top Layer w0.2: Q26.1@-67.278,-89.532 -67.132,-89.532 R280.1@-66.134,-88.533
NetQ26_3: Q26.3 R285.2 | length 2
  Top Layer w0.5: R285.2@-71.241,-87.832 -70.278,-87.832 Q26.3@-69.578,-88.532
NetQ27_1: Q27.1 R281.1 | length 1.9
  Top Layer w0.2: Q27.1@-67.278,-85.805 -67.263,-85.79 -65.99,-84.517 R281.1@-65.899,-84.517
NetQ27_3: Q27.3 R284.2 | length 2
  Top Layer w0.5: R284.2@-71.241,-85.576 -70.379,-85.576 Q27.3@-69.578,-84.775
NetQ28_1: Q28.1 R282.1 | length 2.1
  Top Layer w0.2: Q28.1@-67.278,-82.096 Q28.1@-67.278,-81.996 -67.278,-81.984 R282.1@-65.899,-80.605
NetQ28_3: Q28.3 R283.2 | length 3.5
  Top Layer w0.2: Q28.3@-69.578,-81.262 -69.578,-81.112 Q28.3@-69.578,-80.996
  Top Layer w0.5: R283.2@-71.241,-83.391 -70.762,-83.391 -69.578,-82.208 Q28.3@-69.578,-81.112
NetR8_2: R8.2 U1.2 | length 2.5
  Top Layer w0.3: U1.2@-65.306,-96.185 -65.306,-95.495 -64.452,-94.642 R8.2@-64.452,-94.062
NetR19_1: R19.1 R200.2 U4.6 | length 2
  Top Layer w0.15: U4.6@-69.971,-55.271 R200.2@-68.927,-55.271 R19.1@-67.962,-55.271
NetR20_1: R20.1 SD8.3 | length 1.3
  Top Layer w0.2: R20.1@-56.989,-103.135 -56.503,-102.649 -56.07,-102.649 -55.881,-102.649 SD8.3@-55.891,-102.659
NetR23_1: R23.1 SK1.3 | length 6.6
  Top Layer w0.5: SK1.3@-4.416,-105.533 -2.318,-103.435 R23.1@-2.318,-99.787
NetR43_2: R43.2 U5.3 | length 1.8
  Top Layer w0.3: R43.2@-42.827,-84.319 -42.381,-84.319 -42.156,-84.094 U5.3@-41.138,-84.094
NetR44_2: R44.2 U5.4 | length 1.9
  Top Layer w0.3: R44.2@-42.854,-85.242 -42.397,-85.242 -41.9,-84.744 U5.4@-41.138,-84.744
NetR58_2: R58.2 SW2.3 SW2.4 | length 7.3
  Top Layer w0.2: v1(-38.882,-64.202) -37.873,-64.202 R58.2@-37.722,-64.052
  Bottom Layer w1: SW2.4@-43.28,-64.202 v1(-38.882,-64.202) SW2.3@-37.184,-64.202
NetR59_2: R59.2 SW3.3 SW3.4 | length 11.1
  Top Layer w0.2: R59.2@-58.826,-52.285 v1(-58.152,-52.285)
  Bottom Layer w0.2: v1(-58.152,-52.285) -58.149,-52.285 -57.717,-52.717 -57.717,-53.967 -56.982,-54.702 SW3.4@-55.53,-54.702
  Bottom Layer w1: SW3.4@-55.53,-54.702 SW3.3@-49.434,-54.702
NetR60_2: R60.2 SW4.3 SW4.4 | length 8.5
  Top Layer w0.2: v1(-41.772,-73.472) R60.2@-41.063,-73.472
  Bottom Layer w0.2: SW4.4@-41.756,-75.13 -41.756,-73.472 v1@-41.756,-73.456
  Bottom Layer w1: SW4.3@-41.756,-81.226 SW4.4@-41.756,-75.13
NetR61_2: R61.2 SW5.3 SW5.4 | length 14.3
  Top Layer w0.2: R61.2@-61.682,-69.471 v1(-61.682,-68.942)
  Bottom Layer w0.2: SW5.3@-66.256,-65.726 -66.256,-67.102 -64.416,-68.942 -62.692,-68.942 ; -63.622,-68.942 -62.692,-68.942 ; v1(-61.682,-68.942) -62.692,-68.942
  Bottom Layer w1: SW5.3@-66.256,-65.726 SW5.4@-66.256,-59.63
NetR62_2: R62.2 SW6.3 SW6.4 | length 9.8
  Top Layer w0.15: v1@-61.688,-72.797 R62.2@-61.688,-72.397
  Bottom Layer w0.4: SW6.3@-63.223,-75.119 -62.53,-75.119 -61.682,-74.272 v1(-61.682,-72.902)
  Bottom Layer w1: SW6.4@-63.223,-81.215 SW6.3@-63.223,-75.119
NetR115_1: R115.1 U4.3 | length 1.3
  Top Layer w0.15: R115.1@-73.355,-52.488 U4.3@-72.054,-52.488
NetR208_2: R208.2 R210.1 | length 0.9
  Top Layer w0.2: R208.2@-37.634,-101.264 R208.2@-37.627,-101.256 R210.1@-37.627,-102.17
NetR253_1: R253.1 R274.2 U23.4 | length 2.1
  Top Layer w0.15: R274.2@-39.573,-77.939 -38.663,-77.939 R253.1@-38.643,-77.939 ; R253.1@-38.686,-77.895 U23.4@-38.686,-76.75
NetR275_2: R275.2 R276.2 R277.2 U23.3 | length 3.8
  Top Layer w0.15: R276.2@-39.87,-74.448 -39.379,-74.448 -39.08,-74.15 U23.3@-38.686,-74.15 ; R275.2@-39.87,-72.507 -39.096,-72.507 R277.2@-38.744,-72.859 U23.3@-38.744,-74.091
NetR278_2: R278.2 V3.1 | length 0.9
  Top Layer w0.2: V3.1@21.224,-100.015 R278.2@21.224,-99.145
NetR279_2: R279.2 V2.1 | length 0.9
  Top Layer w0.2: V2.1@22.094,-100.045 R279.2@22.094,-99.165
NetR300_2: R300.2 SW1.3 SW1.4 | length 10.5
  Top Layer w0.2: v1@-56.892,-72.112 -56.892,-72.082 -56.892,-70.792 R300.2@-54.712,-68.612
  Bottom Layer w1: SW1.4@-55.532,-71.982 SW1.3@-49.436,-71.982
  other v1: -56.902,-72.082
OUTB: R218.1 R280.2 R286.1 U601.3 | length 11.9
  Top Layer w0.15: R286.1@-64.954,-89.421 -64.572,-89.421 -64.392,-89.242 -64.392,-87.732 -64.053,-87.392 U601.3@-62.935,-87.392
  Top Layer w0.2: -65.919,-89.772 R280.2@-65.919,-89.421 R286.1@-64.954,-89.421
  Top Layer w0.4: R218.1@-71.252,-88.952 -69.612,-90.592 -66.519,-90.592 -65.919,-89.992 R280.2@-65.919,-89.421
OUTG: R205.1 R281.2 R287.2 U601.2 | length 10.4
  Top Layer w0.15: v1@-64.934,-86.06 R287.2@-64.934,-85.517 ; v1(-63.752,-86.332) -63.752,-86.692 -63.452,-86.992 -63.212,-86.992
  Top Layer w0.2: R281.2@-65.899,-85.517 R287.2@-64.934,-85.517 ; -63.212,-86.992 U601.2@-62.935,-86.992
  Top Layer w0.4: R205.1@-71.241,-86.693 -66.314,-86.693 -65.899,-86.278 R281.2@-65.899,-85.517
  Bottom Layer w0.15: v1(-64.952,-86.062) -64.022,-86.062 v1(-63.752,-86.332)
OUTR: R204.1 R282.2 R288.2 U601.1 | length 13.8
  Top Layer w0.15: v1(-63.692,-84.872) -63.35,-84.872 -62.935,-85.287 U601.1@-62.935,-86.592
  Top Layer w0.2: R282.2@-65.899,-81.605 R288.2@-64.934,-81.605 v1@-64.934,-83.05
  Top Layer w0.4: R204.1@-71.252,-84.452 -70.782,-84.452 -69.272,-82.942 -66.829,-82.942 -65.899,-82.012 R282.2@-65.899,-81.605
  Bottom Layer w0.15: v1(-64.942,-83.052) -63.692,-84.302 v1(-63.692,-84.872)
PA_5V: C45.2 C46.2 C167.2 C168.2 FB2.2 R253.2 R293.1 U5.6 U23.5 | length 19.5
  Top Layer w0.2: R293.1@-43.845,-81.535 -43.845,-81.054 v1(-43.59,-80.8)
  Top Layer w0.5: C168.2@-39.573,-78.904 FB2.2@-38.487,-78.904 ; U23.5@-37.736,-76.75 -37.736,-77.979 -37.736,-78.56 -38.284,-79.107 FB2.2@-38.284,-79.127 C46.2@-38.284,-80.479 -38.284,-81.491 C45.2@-38.389,-81.596 -39.554,-81.596 -39.565,-81.585 -39.565,-83.425 -39.489,-83.501 -38.896,-84.094 U5.6@-36.622,-84.094
  Bottom Layer w0.2: v1(-43.59,-80.8) -43.59,-81.789 -42.309,-83.071 ; -42.055,-83.325 -42.309,-83.071 ; v1(-39.463,-83.476) -41.904,-83.476 -42.309,-83.071
PAGND: C42.2 C43.2 C45.1 C46.1 FB3.1 R42.2 U5.7 | length 16.9
  Top Layer w0.5: C43.2@-44.828,-83.319 C42.2@-43.877,-83.319 ; C42.2@-43.827,-83.369 v1(-43.827,-82.968) R42.2@-43.827,-82.469 ; -37.431,-83.425 -37.888,-82.968 -37.888,-82.511 -37.388,-82.011 C45.1@-37.388,-81.596 -36.927,-81.135 -36.884,-81.092 C46.1@-36.884,-80.479 FB3.1@-35.591,-80.479
  Bottom Layer w0.5: v1(-43.827,-82.968) -42.456,-84.34 -37.787,-84.34 -36.923,-83.476 v1(-36.923,-81.139)
POWER_1: C5.2 C6.2 C39.2 J1.1 J10.6 J10.7 pad.0@-78.652,-104.132 Q8.2 R9.1 R18.1 R213.2 R302.2 U1.5 | length 78.1
  Top Layer w1: v1@-77.022,-104.125 J1.1@-73.54,-104.125 -68.978,-104.125 -67.86,-104.125 -66.641,-104.125 -63.309,-104.125 Q8.2@-63.072,-104.362 ; -67.842,-103.832 -67.842,-103.202 v1@-67.842,-102.872 ; v1@-63.352,-55.662 -63.312,-55.622 -62.957,-55.266 -62.912,-55.222 -62.912,-54.876 -62.912,-54.702 -62.351,-54.702 -62.099,-54.45 R18.1@-61.421,-53.772 ; Q8.2@-62.9,-104.512 -62.891,-104.512 R302.2@-61.912,-104.512 ; -62.312,-53.772 R18.1@-61.421,-53.772 ; R18.1@-61.282,-53.91 R18.1@-61.421,-53.772
  Bottom Layer w0.6: pad.0@-78.652,-104.132 v1@-77.042,-104.132 ; -67.812,-103.162 v1(-67.812,-102.842) -67.812,-102.372 -68.972,-101.212 -68.972,-93.352 -71.752,-90.572 -71.752,-57.822 -69.572,-55.642 -63.602,-55.642 -63.512,-55.642 v1@-63.232,-55.642
  other v1: -77.022,-104.112 -68.072,-103.202 -67.602,-103.202 -70.562,-66.692 -70.922,-66.582 -70.622,-66.342 -63.602,-55.872 -63.202,-55.732 -63.512,-55.502
POWER_2: D6.1 D7.2 D108.2 J10.8 J10.9 Q4.2 R14.2 R15.2 R16.2 | length 41
  Top Layer w0.4: D6.1@-60.242,-101.802 -59.642,-101.802 -58.767,-100.926 D108.2@-58.767,-99.453 ; -58.767,-98.911 -58.481,-98.911 ; -58.481,-98.97 R14.2@-57.185,-98.97 ; R14.2@-57.185,-98.97 Q4.2@-57.185,-97.693
  Bottom Layer w0.6: v1(-68.132,-66.992) -68.132,-87.592 -60.782,-94.942 -60.782,-98.082 -60.262,-98.602
  other v1: -59.642,-99.792 -60.122,-99.352 -59.642,-99.302 -59.652,-98.892 -68.122,-66.582 -68.122,-66.202
POWER_EN: C107.2 D108.1 POWER_EN1.1 Q2.1 R20.2 R202.1 | length 5.7
  Top Layer w0.4: D108.1@-58.767,-102.653 -58.767,-103.524 Q2.1@-58.386,-103.905 ; Q2.1@-58.129,-104.162 -56.989,-104.162 POWER_EN1.1@-55.762,-104.162 ; R20.2@-56.989,-104.245 C107.2@-56.989,-105.226 R202.1@-56.075,-105.227
POWER_KEY1: J101.6 J101.7 pad.27 SK1.1 | length 5.6
  Top Layer w0.7: 3.211,-87.758 3.211,-87.504 v1(3.211,-85.795)
  Bottom Layer w0.2: pad.27@2.74,-82.351 2.74,-84.637 3.211,-85.108 v1(3.211,-85.795)
POWER_KEY2: J101.8 J101.9 pad.26 SK1.2 | length 4.3
  Top Layer w0.7: 4.227,-87.708 4.227,-87.504 v1(4.227,-85.745)
  Bottom Layer w0.2: pad.26@3.44,-83.751 3.44,-84.388 4.227,-85.175 v1(4.227,-85.745)
POWER_ON: R151.1 SD8.2 U2.43 | length 40.7
  Top Layer w0.15: v1@-56.881,-101.104 -56.881,-101.092 SD8.2@-56.881,-100.349 ; R151.1@-54.797,-98.919 v1(-54.797,-98.352) ; -51.762,-94.022 -51.937,-93.847 ; v1@-51.052,-94.492 -51.292,-94.492 -51.937,-93.847 ; U2.43@-47.357,-67.728 U2.43@-47.409,-67.677 -47.409,-70.282 -47.122,-70.568 -47.122,-74.037 -47.572,-74.487 -47.572,-79.832 -52.722,-84.982 -52.722,-93.062 -51.937,-93.847
  Bottom Layer w0.15: v1(-56.902,-101.092) -56.902,-100.457 v1(-54.797,-98.352) ; v1@-54.797,-98.347 v1@-50.992,-94.543
  other v1: -50.992,-94.472